# Altium PCB Board.PcbDoc (part 2 of 8)
Units mil, origin at the board's own origin, x right, y up, seen from the top; angles counter-clockwise.
Board outline 2740.16 x 1181.1 mil, 6 copper layers (Top Layer, Int1 (GND), Int2 (Sign), Int3 (Sign), Int4 (PWR), Bottom Layer), stack 60.567 mil thick; 167 components, 261 nets, 1353 pads, 681 vias.
Unrouted connection lines stored in the file: 23.
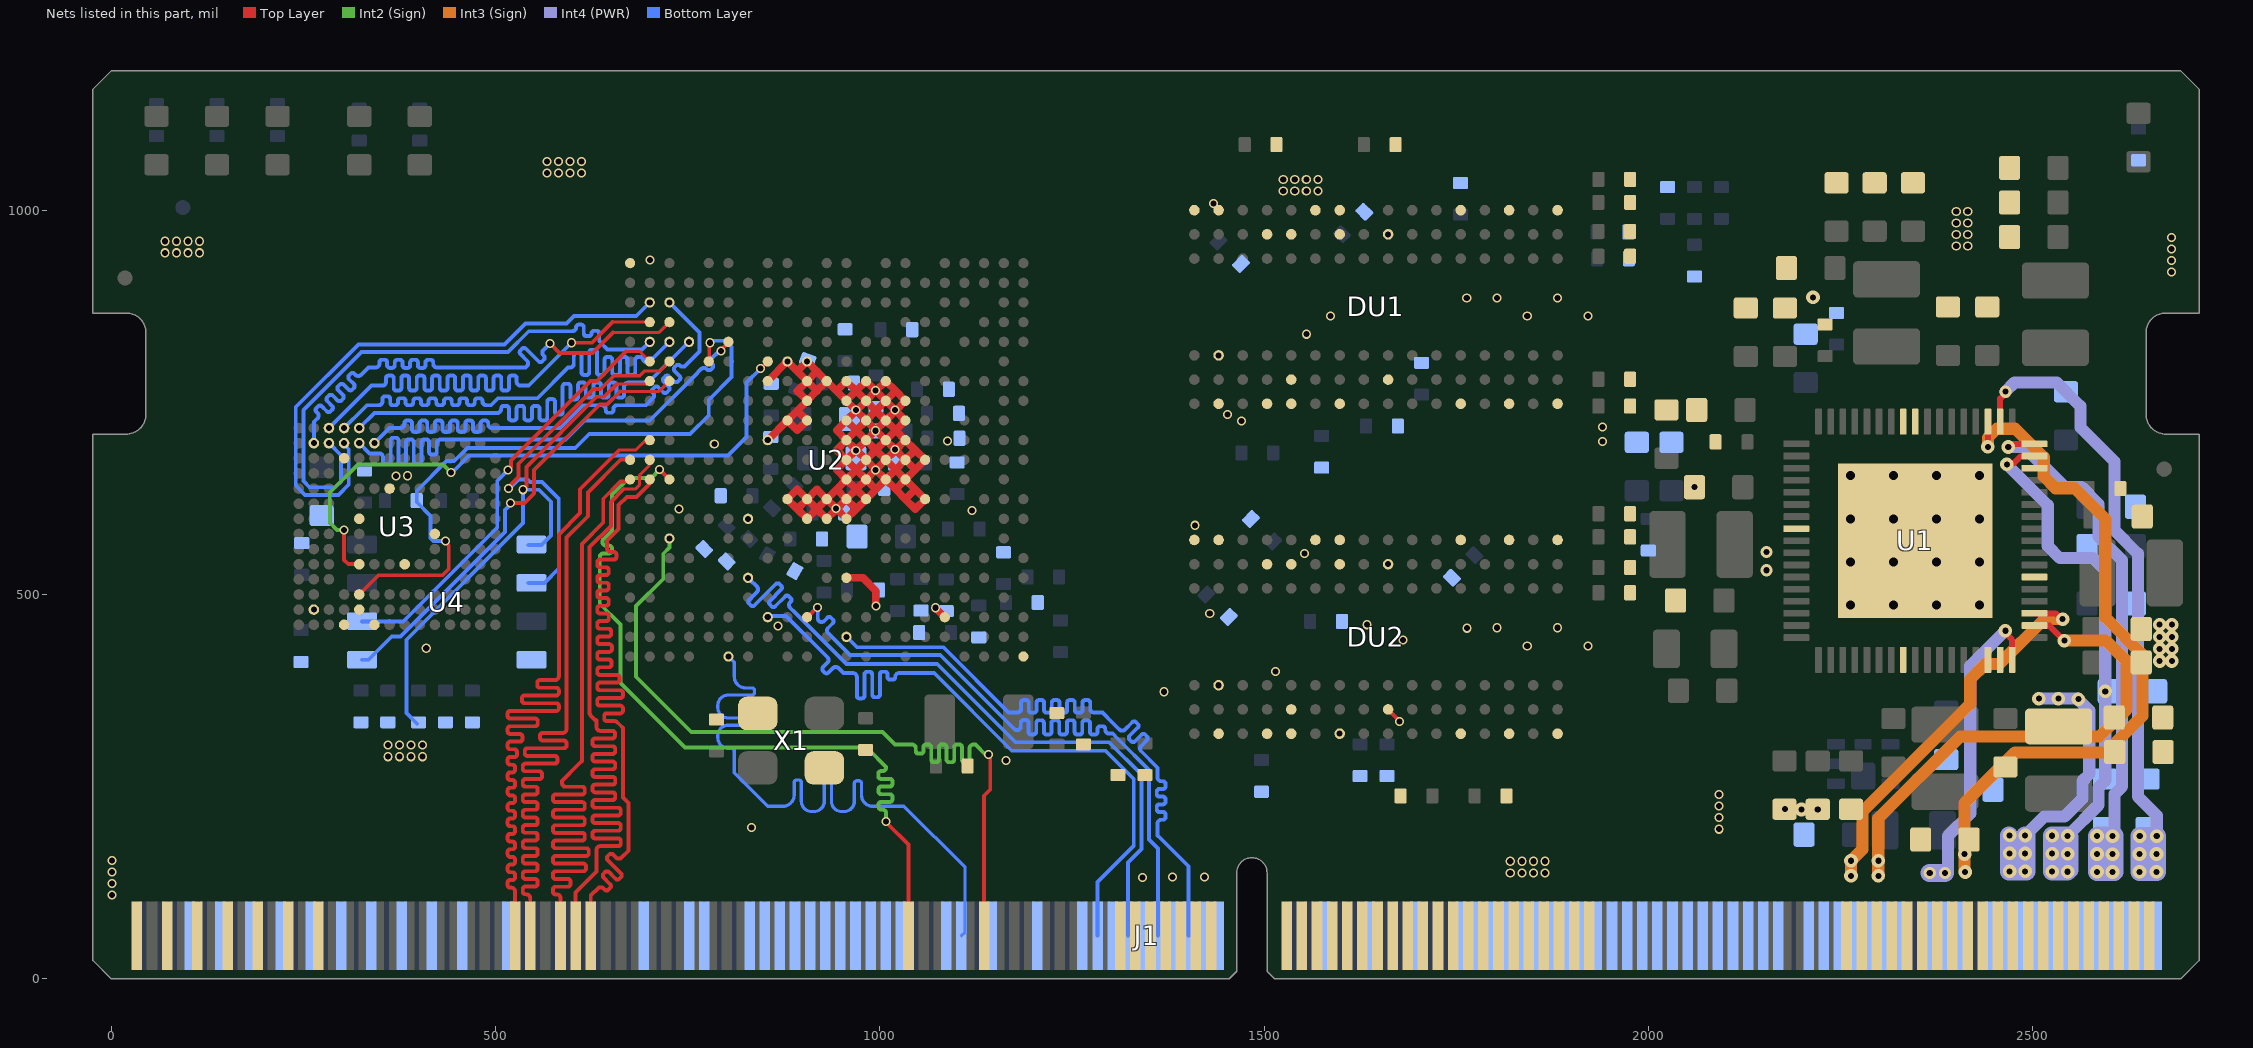
[diagram p6: the nets of this part, all layers, seen from the top]

## Via types
v1: diameter 11.81, hole 7.87, Top Layer to Bottom Layer, tented both sides, 510 vias
v2: diameter 17.72, hole 7.87, Top Layer to Bottom Layer, tented both sides, 112 vias
v3: diameter 15.75, hole 7.87, Top Layer to Bottom Layer, tented both sides, 43 vias
v4: diameter 31.5, hole 11.81, Top Layer to Bottom Layer, 16 vias

## Nets (pads, with @x,y where several pads share a name; then routed paths per layer and width w, separated by ;. In a path a pad name is that pad's centre, name@x,y a point inside that pad or via, vN(x,y) a via of type N, cw(c..) or ccw(c..) an arc to the next point about the centre after c; other vN are vias at no path point) (continued)
CSI_D7: J1.53 U2.A11 | length 1135.4
  Top Layer w5: J1.53@545.28,55.98 545.28,102.38 545.28,104.88 ccw(c540.28,104.88) 540.28,109.88 539.09,109.88 cw(c539.09,113.38) 535.59,113.38 535.59,116.38 cw(c539.09,116.38) 539.09,119.88 551.46,119.88 ccw(c551.46,123.38) 554.96,123.38 554.96,126.38 ccw(c551.46,126.38) 551.46,129.88 539.09,129.88 cw(c539.09,133.38) 535.59,133.38 535.59,136.38 cw(c539.09,136.38) 539.09,139.88 551.46,139.88 ccw(c551.46,143.38) 554.96,143.38 554.96,146.38 ccw(c551.46,146.38) 551.46,149.88 539.09,149.88 cw(c539.09,153.38) 535.59,153.38 535.59,156.38 cw(c539.09,156.38) 539.09,159.88 551.46,159.88 ccw(c551.46,163.38) 554.96,163.38 554.96,166.38 ccw(c551.46,166.38) 551.46,169.88 539.09,169.88 cw(c539.09,173.38) 535.59,173.38 535.59,176.38 cw(c539.09,176.38) 539.09,179.88 551.46,179.88 ccw(c551.46,183.38) 554.96,183.38 554.96,186.38 ccw(c551.46,186.38) 551.46,189.88 539.09,189.88 cw(c539.09,193.38) 535.59,193.38 535.59,196.38 cw(c539.09,196.38) 539.09,199.88 551.46,199.88 ccw(c551.46,203.38) 554.96,203.38 554.96,206.38 ccw(c551.46,206.38) 551.46,209.88 539.09,209.88 cw(c539.09,213.38) 535.59,213.38 535.59,216.38 cw(c539.09,216.38) 539.09,219.88 551.46,219.88 ccw(c551.46,223.38) 554.96,223.38 554.96,226.38 ccw(c551.46,226.38) 551.46,229.88 539.09,229.88 cw(c539.09,233.38) 535.59,233.38 535.59,236.38 cw(c539.09,236.38) 539.09,239.88 551.46,239.88 ccw(c551.46,243.38) 554.96,243.38 554.96,246.38 ccw(c551.46,246.38) 551.46,249.88 539.09,249.88 cw(c539.09,253.38) 535.59,253.38 535.59,256.38 cw(c539.09,256.38) 539.09,259.88 557.2,259.88 ccw(c557.2,263.38) 560.7,263.38 560.7,266.38 ccw(c557.2,266.38) 557.2,269.88 539.09,269.88 cw(c539.09,273.38) 535.59,273.38 535.59,276.38 cw(c539.09,276.38) 539.09,279.88 577.2,279.88 ccw(c577.2,283.38) 580.7,283.38 580.7,286.38 ccw(c577.2,286.38) 577.2,289.88 541.6,289.88 cw(c541.6,293.38) 538.1,293.38 538.1,296.38 cw(c541.6,296.38) 541.6,299.88 589,299.88 ccw(c589,303.38) 592.5,303.38 592.5,306.38 ccw(c589,306.38) 589,309.88 561.6,309.88 cw(c561.6,313.38) 558.1,313.38 558.1,316.38 cw(c561.6,316.38) 561.6,319.88 587.5,319.88 ccw(c587.5,324.88) 592.5,324.88 592.5,350.39 592.5,573.98 620.24,601.71 620.24,632.77 662.66,675.2 U2.A11@675.2,675.2
CSI_HSYNC: J1.59 U2.B11 | length 1131.6
  Top Layer w4: 666.88,636.99 681.8,636.99 687.67,642.85 687.67,655.38 700.01,667.72 U2.B11@700.01,674.42
  Top Layer w5: J1.59@604.33,55.98 604.33,112.2 631.52,139.39 631.52,155.04 631.52,167.55 cw(c636.52,167.55) 636.52,172.55 659.57,172.55 ccw(c659.57,176.05) 663.07,176.05 663.07,179.05 ccw(c659.57,179.05) 659.57,182.55 629.83,182.55 cw(c629.83,186.05) 626.33,186.05 626.33,189.05 cw(c629.83,189.05) 629.83,192.55 659.57,192.55 ccw(c659.57,196.05) 663.07,196.05 663.07,199.05 ccw(c659.57,199.05) 659.57,202.55 629.83,202.55 cw(c629.83,206.05) 626.33,206.05 626.33,209.05 cw(c629.83,209.05) 629.83,212.55 659.57,212.55 ccw(c659.57,216.05) 663.07,216.05 663.07,219.05 ccw(c659.57,219.05) 659.57,222.55 629.83,222.55 cw(c629.83,226.05) 626.33,226.05 626.33,229.05 cw(c629.83,229.05) 629.83,232.55 652.41,232.55 ccw(c652.41,236.05) 655.91,236.05 655.91,239.05 ccw(c652.41,239.05) 652.41,242.55 629.83,242.55 cw(c629.83,246.05) 626.33,246.05 626.33,249.05 cw(c629.83,249.05) 629.83,252.55 652.41,252.55 ccw(c652.41,256.05) 655.91,256.05 655.91,259.05 ccw(c652.41,259.05) 652.41,262.55 629.83,262.55 cw(c629.83,266.05) 626.33,266.05 626.33,269.05 cw(c629.83,269.05) 629.83,272.55 652.41,272.55 ccw(c652.41,276.05) 655.91,276.05 655.91,279.05 ccw(c652.41,279.05) 652.41,282.55 629.83,282.55 cw(c629.83,286.05) 626.33,286.05 626.33,289.05 cw(c629.83,289.05) 629.83,292.55 652.41,292.55 ccw(c652.41,296.05) 655.91,296.05 655.91,299.05 ccw(c652.41,299.05) 652.41,302.55 629.83,302.55 cw(c629.83,306.05) 626.33,306.05 626.33,309.05 cw(c629.83,309.05) 629.83,312.55 651.94,312.55 ccw(c651.94,316.05) 655.44,316.05 655.44,319.05 ccw(c651.94,319.05) 651.94,322.55 636.52,322.55 cw(c636.52,327.55) 631.52,327.55 631.52,335.32 631.52,336.08 630.74,336.87 629.63,336.87 623.29,343.21 623.29,344.32 622.5,345.1 622.5,561.56 650.24,589.29 650.24,620.34 666.88,636.99 ; U2.B11@700.01,674.42 U2.B11@700.79,675.2
CSI_MCLK: J1.57 U2.A10 | length 1143.1
  Top Layer w5: J1.57@584.65,55.98 584.65,102.29 584.65,104.79 ccw(c579.65,104.79) 579.65,109.79 578.46,109.79 cw(c578.46,113.29) 574.96,113.29 574.96,116.29 cw(c578.46,116.29) 578.46,119.79 594.27,119.79 ccw(c594.27,123.29) 597.77,123.29 597.77,126.29 ccw(c594.27,126.29) 594.27,129.79 578.46,129.79 cw(c578.46,133.29) 574.96,133.29 574.96,136.29 cw(c578.46,136.29) 578.46,139.79 614.27,139.79 ccw(c614.27,143.29) 617.77,143.29 617.77,146.29 ccw(c614.27,146.29) 614.27,149.79 578.46,149.79 cw(c578.46,153.29) 574.96,153.29 574.96,156.29 cw(c578.46,156.29) 578.46,159.79 618.02,159.79 ccw(c618.02,163.29) 621.52,163.29 621.52,166.29 ccw(c618.02,166.29) 618.02,169.79 578.46,169.79 cw(c578.46,173.29) 574.96,173.29 574.96,176.29 cw(c578.46,176.29) 578.46,179.79 612.83,179.79 ccw(c612.83,183.29) 616.33,183.29 616.33,186.29 ccw(c612.83,186.29) 612.83,189.79 578.46,189.79 cw(c578.46,193.29) 574.96,193.29 574.96,196.29 cw(c578.46,196.29) 578.46,199.79 612.83,199.79 ccw(c612.83,203.29) 616.33,203.29 616.33,206.29 ccw(c612.83,206.29) 612.83,209.79 578.46,209.79 cw(c578.46,213.29) 574.96,213.29 574.96,216.29 cw(c578.46,216.29) 578.46,219.79 612.83,219.79 ccw(c612.83,223.29) 616.33,223.29 616.33,226.29 ccw(c612.83,226.29) 612.83,229.79 578.46,229.79 cw(c578.46,233.29) 574.96,233.29 574.96,236.29 cw(c578.46,236.29) 578.46,239.79 612.83,239.79 ccw(c612.83,243.29) 616.33,243.29 616.33,246.29 ccw(c612.83,246.29) 612.83,249.79 591.61,249.79 cw(c591.61,254.79) 586.61,254.79 586.61,257.51 608.12,279.02 612.5,283.4 612.5,565.7 640.24,593.43 640.24,624.49 662.74,646.99 672.58,646.99 U2.A10@675.2,649.61
CSI_PCLK: J1.61 U2.B10 | length 1124.8
  Top Layer w5: J1.61@624.02,55.98 624.02,108.27 624.55,108.81 633.39,117.64 cw(c636.93,114.11) 640.46,117.64 642.21,115.9 ccw(c644.68,118.37) 647.16,115.9 649.28,118.02 ccw(c646.81,120.5) 649.28,122.97 640.64,131.61 cw(c643.11,134.09) 640.64,136.56 642.76,138.69 cw(c645.23,136.21) 647.71,138.69 656.35,130.04 ccw(c658.83,132.52) 661.3,130.04 663.42,132.16 ccw(c660.95,134.64) 663.42,137.11 646.04,154.5 cw(c648.51,156.97) 646.04,159.45 648.16,161.57 cw(c650.63,159.1) 653.11,161.57 657.03,157.65 ccw(c660.57,161.18) 664.1,157.65 673.07,166.61 673.07,180.57 673.07,228.58 665.91,235.74 665.91,326.22 661.05,331.07 658.55,333.57 ccw(c654.33,329.35) 654.33,335.32 645.02,335.32 cw(c645.02,338.82) 641.52,338.82 641.52,341.82 cw(c645.02,341.82) 645.02,345.32 662.41,345.32 ccw(c662.41,348.82) 665.91,348.82 665.91,351.82 ccw(c662.41,351.82) 662.41,355.32 636,355.32 cw(c636,358.82) 632.5,358.82 632.5,361.82 cw(c636,361.82) 636,365.32 662.41,365.32 ccw(c662.41,368.82) 665.91,368.82 665.91,371.82 ccw(c662.41,371.82) 662.41,375.32 636,375.32 cw(c636,378.82) 632.5,378.82 632.5,381.82 cw(c636,381.82) 636,385.32 657.9,385.32 ccw(c657.9,388.82) 661.4,388.82 661.4,391.82 ccw(c657.9,391.82) 657.9,395.32 636,395.32 cw(c636,398.82) 632.5,398.82 632.5,401.82 cw(c636,401.82) 636,405.32 647.6,405.32 ccw(c647.6,408.82) 651.1,408.82 651.1,411.82 ccw(c647.6,411.82) 647.6,415.32 636,415.32 cw(c636,418.82) 632.5,418.82 632.5,421.82 cw(c636,421.82) 636,425.32 648.1,425.32 ccw(c648.1,428.82) 651.6,428.82 651.6,431.82 ccw(c648.1,431.82) 648.1,435.32 636,435.32 cw(c636,438.82) 632.5,438.82 632.5,441.82 cw(c636,441.82) 636,445.32 647.11,445.32 ccw(c647.11,448.82) 650.61,448.82 650.61,451.82 ccw(c647.11,451.82) 647.11,455.32 636,455.32 cw(c636,458.82) 632.5,458.82 632.5,461.82 cw(c636,461.82) 636,465.32 643.98,465.32 ccw(c643.98,468.82) 647.48,468.82 647.48,471.82 ccw(c643.98,471.82) 643.98,475.32 636,475.32 cw(c636,478.82) 632.5,478.82 632.5,481.82 cw(c636,481.82) 636,485.32 643.98,485.32 ccw(c643.98,488.82) 647.48,488.82 647.48,491.82 ccw(c643.98,491.82) 643.98,495.32 636,495.32 cw(c636,498.82) 632.5,498.82 632.5,501.82 cw(c636,501.82) 636,505.32 643.98,505.32 ccw(c643.98,508.82) 647.48,508.82 647.48,511.82 ccw(c643.98,511.82) 643.98,515.32 636,515.32 cw(c636,518.82) 632.5,518.82 632.5,521.82 cw(c636,521.82) 636,525.32 643.98,525.32 ccw(c643.98,528.82) 647.48,528.82 647.48,531.82 ccw(c643.98,531.82) 643.98,535.32 636,535.32 cw(c636,538.82) 632.5,538.82 632.5,541.82 cw(c636,541.82) 636,545.32 653.84,545.32 ccw(c653.84,548.82) 657.34,548.82 657.34,551.82 ccw(c653.84,551.82) 653.84,555.32 650.16,555.32 cw(c650.16,560.32) 645.16,560.32 645.16,570.07 660.24,585.15 660.24,616.2 671.02,626.99 683.73,626.99 700.01,643.27 700.01,648.83 U2.B10@700.79,649.61
CSI_SCK: J1.51 U2.B12 | length 1148.4
  Top Layer w4: 661.04,687.72 682.15,687.72 695.23,700.79 U2.B12@700.79,700.79
  Top Layer w5: J1.51@525.59,55.98 525.59,91.01 525.59,113.52 ccw(c520.59,113.52) 520.59,118.52 519.41,118.52 cw(c519.41,122.02) 515.91,122.02 515.91,125.02 cw(c519.41,125.02) 519.41,128.52 522.09,128.52 ccw(c522.09,132.02) 525.59,132.02 525.59,135.02 ccw(c522.09,135.02) 522.09,138.52 519.41,138.52 cw(c519.41,142.02) 515.91,142.02 515.91,145.02 cw(c519.41,145.02) 519.41,148.52 522.09,148.52 ccw(c522.09,152.02) 525.59,152.02 525.59,155.02 ccw(c522.09,155.02) 522.09,158.52 519.41,158.52 cw(c519.41,162.02) 515.91,162.02 515.91,165.02 cw(c519.41,165.02) 519.41,168.52 522.09,168.52 ccw(c522.09,172.02) 525.59,172.02 525.59,175.02 ccw(c522.09,175.02) 522.09,178.52 519.41,178.52 cw(c519.41,182.02) 515.91,182.02 515.91,185.02 cw(c519.41,185.02) 519.41,188.52 522.09,188.52 ccw(c522.09,192.02) 525.59,192.02 525.59,195.02 ccw(c522.09,195.02) 522.09,198.52 519.41,198.52 cw(c519.41,202.02) 515.91,202.02 515.91,205.02 cw(c519.41,205.02) 519.41,208.52 522.09,208.52 ccw(c522.09,212.02) 525.59,212.02 525.59,215.02 ccw(c522.09,215.02) 522.09,218.52 519.41,218.52 cw(c519.41,222.02) 515.91,222.02 515.91,225.02 cw(c519.41,225.02) 519.41,228.52 522.09,228.52 ccw(c522.09,232.02) 525.59,232.02 525.59,235.02 ccw(c522.09,235.02) 522.09,238.52 519.41,238.52 cw(c519.41,242.02) 515.91,242.02 515.91,245.02 cw(c519.41,245.02) 519.41,248.52 522.09,248.52 ccw(c522.09,252.02) 525.59,252.02 525.59,255.02 ccw(c522.09,255.02) 522.09,258.52 519.41,258.52 cw(c519.41,262.02) 515.91,262.02 515.91,265.02 cw(c519.41,265.02) 519.41,268.52 522.09,268.52 ccw(c522.09,272.02) 525.59,272.02 525.59,275.02 ccw(c522.09,275.02) 522.09,278.52 519.41,278.52 cw(c519.41,282.02) 515.91,282.02 515.91,285.02 cw(c519.41,285.02) 519.41,288.52 524.6,288.52 ccw(c524.6,292.02) 528.1,292.02 528.1,295.02 ccw(c524.6,295.02) 524.6,298.52 519.41,298.52 cw(c519.41,302.02) 515.91,302.02 515.91,305.02 cw(c519.41,305.02) 519.41,308.52 531.61,308.52 ccw(c531.61,312.02) 535.11,312.02 535.11,315.02 ccw(c531.61,315.02) 531.61,318.52 519.41,318.52 cw(c519.41,322.02) 515.91,322.02 515.91,325.02 cw(c519.41,325.02) 519.41,328.52 551.61,328.52 ccw(c551.61,332.02) 555.11,332.02 555.11,335.02 ccw(c551.61,335.02) 551.61,338.52 519.41,338.52 cw(c519.41,342.02) 515.91,342.02 515.91,345.02 cw(c519.41,345.02) 519.41,348.52 579,348.52 ccw(c579,352.02) 582.5,352.02 582.5,355.02 ccw(c579,355.02) 579,358.52 538,358.52 cw(c538,362.02) 534.5,362.02 534.5,365.02 cw(c538,365.02) 538,368.52 579,368.52 ccw(c579,372.02) 582.5,372.02 582.5,375.02 ccw(c579,375.02) 579,378.52 558,378.52 cw(c558,382.02) 554.5,382.02 554.5,385.02 cw(c558,385.02) 558,388.52 577.5,388.52 ccw(c577.5,393.52) 582.5,393.52 582.5,418.12 582.5,578.12 610.24,605.86 610.24,636.91 661.04,687.72
CSI_SDA: J1.113 U2.C7 | length 1076.2
  Top Layer w5: J1.113@1135.83,55.98 1135.83,238.08 1143.9,246.15 v1@1143.9,293.51
  Int2 (Sign) w5: v1(726.38,572.83) 726.38,561.02 718.35,552.99 718.35,520.26 682.91,484.82 682.91,392.93 754.82,321.02 1003.65,321.02 1019.93,304.74 1021.2,304.74 1041.95,304.74 cw(c1041.95,299.74) 1046.95,299.74 1046.95,296.35 ccw(c1050.45,296.35) 1050.45,292.85 1053.45,292.85 ccw(c1053.45,296.35) 1056.95,296.35 1056.95,301.24 cw(c1060.45,301.24) 1060.45,304.74 1063.45,304.74 cw(c1063.45,301.24) 1066.95,301.24 1066.95,285.2 ccw(c1070.45,285.2) 1070.45,281.7 1073.45,281.7 ccw(c1073.45,285.2) 1076.95,285.2 1076.95,301.24 cw(c1080.45,301.24) 1080.45,304.74 1083.45,304.74 cw(c1083.45,301.24) 1086.95,301.24 1086.95,285.2 ccw(c1090.45,285.2) 1090.45,281.7 1093.45,281.7 ccw(c1093.45,285.2) 1096.95,285.2 1096.95,301.24 cw(c1100.45,301.24) 1100.45,304.74 1103.45,304.74 cw(c1103.45,301.24) 1106.95,301.24 1106.95,285.2 ccw(c1110.45,285.2) 1110.45,281.7 1113.45,281.7 ccw(c1113.45,285.2) 1116.95,285.2 1116.95,299.74 cw(c1121.95,299.74) 1121.95,304.74 1124.45,304.74 1137.7,291.5 v1@1141.57,291.5
  other v1: 1141.74,291.52
CSI_VSYNC: J1.103 U2.C10 | length 1069.6
  Top Layer w5: v1(713.65,662.47) v1(713.65,662.47) U2.C10@726.38,649.61 U2.C10@726.38,649.61 ; v1@1009.69,203.25 1009.69,202.36 1037.4,174.65 1037.4,161.42 1037.4,115.32 J1.103@1037.4,55.98
  Int2 (Sign) w5: v1(713.65,662.47) 702.87,651.73 673.6,651.73 651.79,629.92 651.79,586.18 651.79,583.26 640.57,572.04 ccw(c644.11,568.5) 644.11,563.5 648.04,563.5 cw(c648.04,560) 651.54,560 651.54,557 cw(c648.04,557) 648.04,553.5 640.67,553.5 ccw(c640.67,548.5) 635.67,548.5 635.67,536 635.67,487.98 662.91,460.74 662.91,384.64 746.53,301.02 982.77,301.02 985.67,298.12 1008.39,275.4 1008.39,275.1 cw(c1003.39,275.1) 1003.39,270.1 1001.67,270.1 ccw(c1001.67,266.6) 998.17,266.6 998.17,263.6 ccw(c1001.67,263.6) 1001.67,260.1 1013.07,260.1 cw(c1013.07,256.6) 1016.57,256.6 1016.57,253.6 cw(c1013.07,253.6) 1013.07,250.1 1002.07,250.1 ccw(c1002.07,246.6) 998.57,246.6 998.57,243.6 ccw(c1002.07,243.6) 1002.07,240.1 1013.07,240.1 cw(c1013.07,236.6) 1016.57,236.6 1016.57,233.6 cw(c1013.07,233.6) 1013.07,230.1 1002.07,230.1 ccw(c1002.07,226.6) 998.57,226.6 998.57,223.6 ccw(c1002.07,223.6) 1002.07,220.1 1003.39,220.1 cw(c1003.39,215.1) 1008.39,215.1 1008.39,212.6 v1(1008.39,204.45)
DCDC4: C44.1 C45.1 J1.239 J1.241 J1.243 L6.1 U1.67 | length 401.6
  Int4 (PWR) w15.75: v2(2490.28,186.32) 2490.46,186.49 2515.03,211.07 2541.55,211.07 2564.96,234.48 2564.96,257.37 2573.74,266.15 2573.74,348.99 2559.52,363.21 v2(2559.52,363.74) 2558.99,363.74 2558.34,364.39 v2(2533.42,364.39) v2(2508.19,364.39)
  Int4 (PWR) w23.62: v2@2469.47,186.19 2469.47,139.82 v2(2470.09,139.82) v2@2491.56,139.82 ; v2@2490.46,186.49 2491.87,186.49 v2@2491.87,139.82
  other v2: 2490.28,139.65 2470.09,163.16 2490.28,162.99 2470.09,186.49
DLDO1: C51.2 J1.257 J1.259 U1.19 | length 894.4
  Top Layer w7.87: U1.19@2457.68,724.8 2457.68,754.76 2464.57,761.65 v3(2464.57,763.78)
  Int4 (PWR) w15.75: v3(2464.57,763.78) 2476.48,775.7 2531.39,775.7 2562.13,744.96 2562.13,717.4 2606.3,673.23 2606.3,583.74 2636.97,553.07 2636.97,237.05 2661.5,212.51 v2(2661.5,185.66)
  Int4 (PWR) w23.62: v2@2639.1,185.35 v2(2639.1,162.32) v2(2639.1,138.98) v2(2661.2,138.98) ; v2@2639.72,185.66 v2(2661.5,185.66) v2@2661.5,138.98
  other v2: 2661.2,162.32 2639.41,185.66
DLDO2: C50.2 J1.251 J1.253 J1.255 U1.17 | length 791.5
  Top Layer w7.87: v2(2468.32,691.92) 2470.99,691.92 2474.94,695.87 U1.17@2501.57,695.87
  Int4 (PWR) w15.75: v2(2468.32,691.92) 2489.19,691.92 2541.42,639.69 2563.69,639.69 2585.55,617.82 2585.55,575.15 2616.22,544.48 2616.22,249.94 2606.45,240.18 2606.45,185.97 2606.15,185.67 v2(2583.75,185.67)
  Int4 (PWR) w23.62: v2(2583.75,185.67) v2(2583.75,162.33) 2583.75,139.3 v2@2605.84,139.3 ; v2@2584.36,185.97 v2@2606.15,185.97 ; v2@2606.15,139.3 2606.15,185.67 v2@2606.15,185.97 ; v2@2606.45,185.97 v2@2606.15,185.97
  other v2: 2583.75,139 2603.94,138.82 2603.94,162.16 2603.94,185.5
DLDO3: C49.2 J1.245 J1.247 J1.249 U1.16 | length 756.2
  Top Layer w7.87: v2(2466.47,669.27) 2468.36,671.16 2475.89,671.16 2484.45,679.72 U1.16@2501.97,679.72
  Int4 (PWR) w15.75: v2(2466.47,669.27) 2519.69,616.06 2519.69,562.99 2535.43,547.24 2578.74,547.24 2594.49,531.5 v2(2594.49,374.02) 2594.49,257.56 2585.71,248.77 2585.71,226.08 v2@2545.78,186.15
  Int4 (PWR) w23.62: v2(2525.34,186.08) v2(2525.34,162.74) 2525.34,139.71 2545.54,139.71 2547.74,141.92 2547.74,184.18 2545.78,186.15 2545.54,186.39 v2@2525.96,186.39
  other v2: 2525.34,139.41 2545.54,139.24 2545.54,162.57 2545.54,185.91
DLDO4: C48.2 J1.233 J1.235 J1.237 U1.20 | length 909.1
  Top Layer w7.87: v2(2441.74,692.01) 2441.74,724.62 U1.20@2441.93,724.8
  Int3 (Sign) w15.75: v2@2411.5,139.69 v2(2411.5,162.14) 2411.5,228.61 2477.14,294.25 2595.25,294.25 2642.8,341.8 2642.8,421.98 2594.49,470.29 2594.49,598.4 2554.73,638.16 2529.91,638.16 2514.43,653.64 2514.43,678.46 2477.29,715.6 2453.48,715.6 2441.74,703.85 v2(2441.74,692.01)
  other v2: 2412.16,138.89
ELDO1: J1.230 J1.232 J1.234 U1.68 | length 408.7
  Top Layer w7.87: v2(2464.57,452.76) 2464.57,449.85 2473.42,440.99 U1.68@2473.42,414.96
  Int4 (PWR) w15.75: v3(2385.83,137.8) 2389.76,141.73 2389.76,185.73 2418.85,214.82 2418.85,407.04 v2(2464.57,452.76)
  Int4 (PWR) w23.62: v3(2366.14,137.8) v3(2385.83,137.8)
ELDO2: J1.222 J1.224 J1.226 U1.2 | length 658.5
  Top Layer w7.87: U1.2@2502.36,459.65 2502.76,459.25 2521.81,459.25 v2(2541.23,439.83)
  Int3 (Sign) w15.75: v2(2299.21,133.86) v2(2299.21,153.54) 2299.21,208.66 2405.55,315 2586.65,315 2622.05,350.39 2622.05,413.39 2595.22,440.21 2541.6,440.21 v2(2541.23,439.83)
ELDO3: J1.214 J1.216 J1.218 J1.220 U1.3 | length 512.2
  Top Layer w7.87: U1.3@2502.36,475.39 2529.84,475.39 2537.38,467.86 v2(2539,467.86)
  Int3 (Sign) w15.75: v2(2263.68,133.96) 2263.68,153.45 v2(2263.78,153.54) 2278.46,168.23 2278.46,217.26 2418.85,357.65 2418.85,389.55 2438.75,409.45 2456.69,409.45 2515.1,467.86 v2(2539,467.86)
EMMC_CMD: R20.1 U2.E16 U3.M5 | length 837.5
  Top Layer w5: U3.M5@322.83,500 347.83,525 431,525 439.24,533.24 439.24,563.66 435.13,567.76 v1(435.13,569.61) ; U2.E16@777.56,803.15 778.3,803.9 778.3,826.73 v1(779.05,827.47)
  Bottom Layer w5: v1(435.13,569.61) 435.08,569.56 419.4,569.56 415.51,573.45 415.51,602.21 397.64,620.08 R20.1@397.64,622.05 397.64,634.64 436.48,673.48 446.48,673.48 463.57,690.57 603.96,690.57 622.05,708.66 753.21,708.66 777.58,733.04 777.58,753.22 807.09,782.72 807.09,822.22 799.19,830.12 781.69,830.12 v1(779.05,827.47)
EMMC_D0: U2.B18 U3.A3 | length 757.5
  Top Layer w4: 652.35,854.33 U2.B18@700.79,854.33
  Top Layer w5: v1(598.91,827.48) 625.49,827.48 652.35,854.33
  Bottom Layer w5: v1(283.46,716.53) 338.58,771.65 350.13,771.65 352.63,771.65 ccw(c352.63,776.65) 357.63,776.65 357.63,781.32 cw(c361.13,781.32) 361.13,784.82 364.13,784.82 cw(c364.13,781.32) 367.63,781.32 367.63,768.82 ccw(c371.13,768.82) 371.13,765.32 374.13,765.32 ccw(c374.13,768.82) 377.63,768.82 377.63,781.32 cw(c381.13,781.32) 381.13,784.82 384.13,784.82 cw(c384.13,781.32) 387.63,781.32 387.63,768.82 ccw(c391.13,768.82) 391.13,765.32 394.13,765.32 ccw(c394.13,768.82) 397.63,768.82 397.63,781.32 cw(c401.13,781.32) 401.13,784.82 404.13,784.82 cw(c404.13,781.32) 407.63,781.32 407.63,768.82 ccw(c411.13,768.82) 411.13,765.32 414.13,765.32 ccw(c414.13,768.82) 417.63,768.82 417.63,781.32 cw(c421.13,781.32) 421.13,784.82 424.13,784.82 cw(c424.13,781.32) 427.63,781.32 427.63,768.82 ccw(c431.13,768.82) 431.13,765.32 434.13,765.32 ccw(c434.13,768.82) 437.63,768.82 437.63,781.32 cw(c441.13,781.32) 441.13,784.82 444.13,784.82 cw(c444.13,781.32) 447.63,781.32 447.63,768.82 ccw(c451.13,768.82) 451.13,765.32 454.13,765.32 ccw(c454.13,768.82) 457.63,768.82 457.63,781.32 cw(c461.13,781.32) 461.13,784.82 464.13,784.82 cw(c464.13,781.32) 467.63,781.32 467.63,768.82 ccw(c471.13,768.82) 471.13,765.32 474.13,765.32 ccw(c474.13,768.82) 477.63,768.82 477.63,781.32 cw(c481.13,781.32) 481.13,784.82 484.13,784.82 cw(c484.13,781.32) 487.63,781.32 487.63,768.82 ccw(c491.13,768.82) 491.13,765.32 494.13,765.32 ccw(c494.13,768.82) 497.63,768.82 497.63,781.32 cw(c501.13,781.32) 501.13,784.82 504.13,784.82 cw(c504.13,781.32) 507.63,781.32 507.63,768.82 ccw(c511.13,768.82) 511.13,765.32 514.13,765.32 ccw(c514.13,768.82) 517.63,768.82 517.63,781.32 cw(c521.13,781.32) 521.13,784.82 524.13,784.82 cw(c524.13,781.32) 527.63,781.32 527.63,776.65 ccw(c532.63,776.65) 532.63,771.65 543.21,771.65 544.43,772.88 v1(598.91,827.48) v1(598.91,827.48)
EMMC_D1: U2.C17 U3.A4 | length 760.6
  Bottom Layer w5: v1(303.15,716.53) 328.83,742.22 332.83,746.22 348.09,746.22 ccw(c348.09,751.22) 353.09,751.22 353.09,754.3 cw(c356.59,754.3) 356.59,757.8 359.59,757.8 cw(c359.59,754.3) 363.09,754.3 363.09,749.72 ccw(c366.59,749.72) 366.59,746.22 369.59,746.22 ccw(c369.59,749.72) 373.09,749.72 373.09,751.82 cw(c376.59,751.82) 376.59,755.32 379.59,755.32 cw(c379.59,751.82) 383.09,751.82 383.09,749.72 ccw(c386.59,749.72) 386.59,746.22 389.59,746.22 ccw(c389.59,749.72) 393.09,749.72 393.09,751.82 cw(c396.59,751.82) 396.59,755.32 399.59,755.32 cw(c399.59,751.82) 403.09,751.82 403.09,749.72 ccw(c406.59,749.72) 406.59,746.22 409.59,746.22 ccw(c409.59,749.72) 413.09,749.72 413.09,751.82 cw(c416.59,751.82) 416.59,755.32 419.59,755.32 cw(c419.59,751.82) 423.09,751.82 423.09,749.72 ccw(c426.59,749.72) 426.59,746.22 429.59,746.22 ccw(c429.59,749.72) 433.09,749.72 433.09,751.82 cw(c436.59,751.82) 436.59,755.32 439.59,755.32 cw(c439.59,751.82) 443.09,751.82 443.09,749.72 ccw(c446.59,749.72) 446.59,746.22 449.59,746.22 ccw(c449.59,749.72) 453.09,749.72 453.09,751.82 cw(c456.59,751.82) 456.59,755.32 459.59,755.32 cw(c459.59,751.82) 463.09,751.82 463.09,749.72 ccw(c466.59,749.72) 466.59,746.22 469.59,746.22 ccw(c469.59,749.72) 473.09,749.72 473.09,751.82 cw(c476.59,751.82) 476.59,755.32 479.59,755.32 cw(c479.59,751.82) 483.09,751.82 483.09,751.22 ccw(c488.09,751.22) 488.09,746.22 494.25,746.22 503.35,755.32 505.4,755.32 554.53,755.32 594.49,795.28 596.99,795.28 ccw(c596.99,800.28) 601.99,800.28 601.99,810.57 cw(c605.49,810.57) 605.49,814.07 608.49,814.07 cw(c608.49,810.57) 611.99,810.57 611.99,789.09 ccw(c615.49,789.09) 615.49,785.59 618.49,785.59 ccw(c618.49,789.09) 621.99,789.09 621.99,814.94 cw(c625.49,814.94) 625.49,818.44 628.49,818.44 cw(c628.49,814.94) 631.99,814.94 631.99,789.09 ccw(c635.49,789.09) 635.49,785.59 638.49,785.59 ccw(c638.49,789.09) 641.99,789.09 641.99,805.4 cw(c645.49,805.4) 645.49,808.9 648.49,808.9 cw(c648.49,805.4) 651.99,805.4 651.99,789.09 ccw(c655.49,789.09) 655.49,785.59 658.49,785.59 ccw(c658.49,789.09) 661.99,789.09 661.99,805.4 cw(c665.49,805.4) 665.49,808.9 668.49,808.9 cw(c668.49,805.4) 671.99,805.4 671.99,789.09 ccw(c675.49,789.09) 675.49,785.59 678.49,785.59 ccw(c678.49,789.09) 681.99,789.09 681.99,805.4 cw(c685.49,805.4) 685.49,808.9 688.49,808.9 cw(c688.49,805.4) 691.99,805.4 ccw(c697.31,808.12) 701.5,803.87 711.23,813.6 v1(726.38,828.74)